# Altium PCB ST1-1-BASIS.PcbDoc (part 3 of 7)
Units mm, origin at the board's own origin, x right, y up, seen from the top; angles counter-clockwise.
Board outline 88 x 170 mm, 6 copper layers (Top Layer, Mid 1, Mid 2 (GND), Mid 3 (PWR), Mid 4, Bottom Layer), stack 1.55 mm thick; 633 components, 333 nets, 1767 pads, 930 vias.
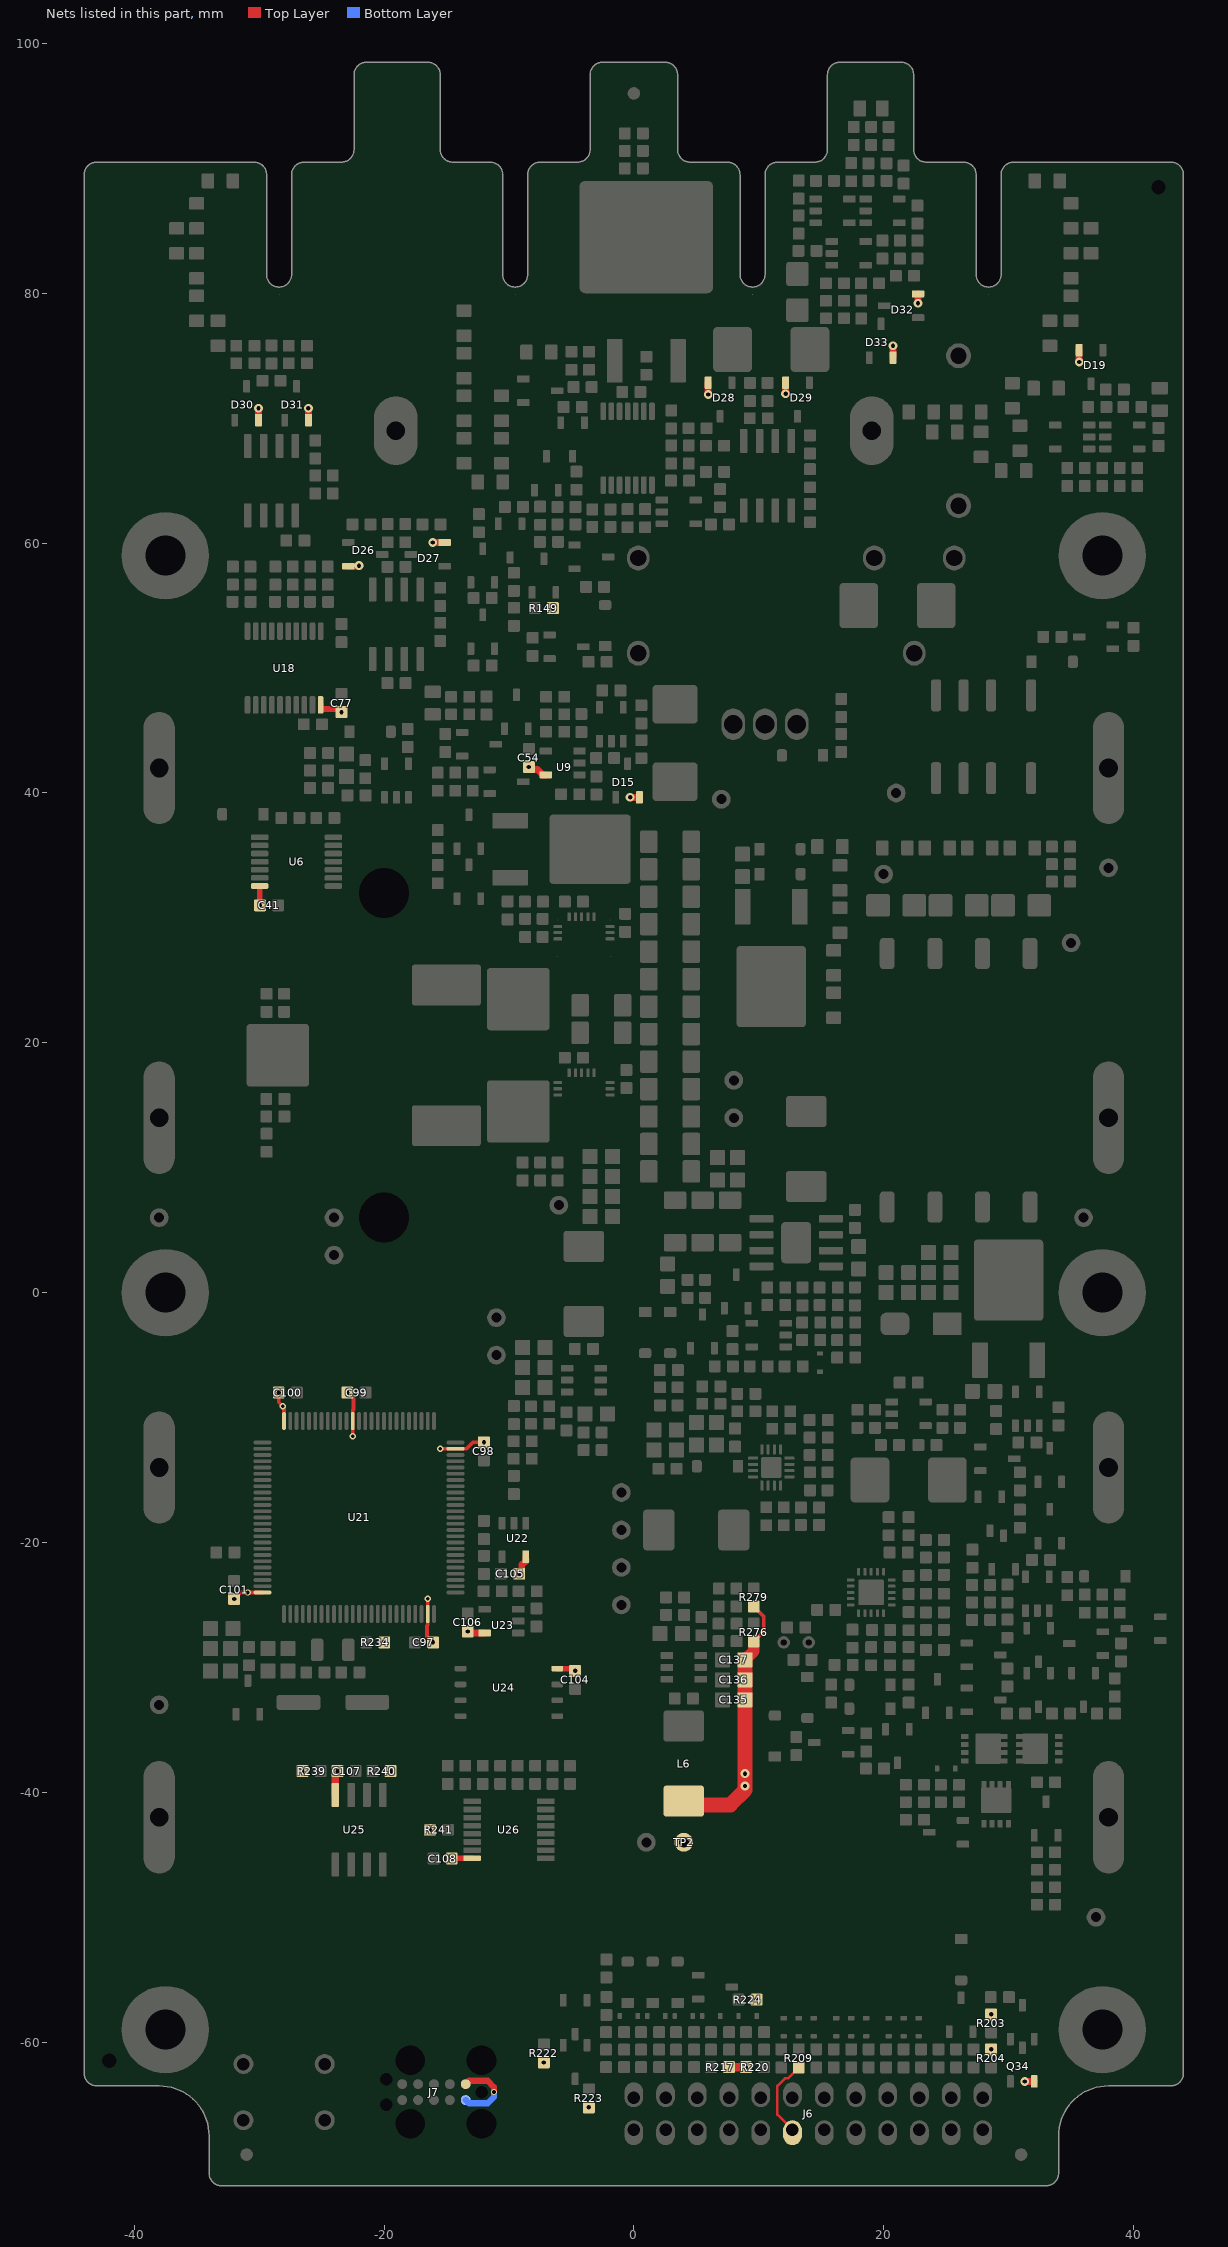
[diagram p7: the nets of this part, all layers, seen from the top]

## Footprints (in the part's own frame and the unit in brackets; to place one, negate y for a bottom-side part, rotate by r counter-clockwise, add the part's x,y. Pads: shape width x height; smd on the part's side, far side on the other; paste and mask are expansions set on the pad) (continued)
TC2050-2 [mil] "Tag-Connect TC2050, 10 pin, top and bottom"
  round 31 smd paste-99999: 1(-100,-25) 2(-50,-25) 3(0,-25) 4(50,-25) 5(100,-25) 6(100,25) 7(50,25) 8(0,25) 9(-50,25) 10(-100,25)
  round 31 smd far side paste-99999: 1(-100,25) 2(-50,25) 3(0,25) 4(50,25) 5(100,25) 6(100,-25) 7(50,-25) 8(0,-25) 9(-50,-25) 10(-100,-25)
  round 0 hole 93.5 unplated: M(-150,-100) M(-150,100) M(75,100) M(75,-100)
  round 0 hole 39 unplated: M(-150,0) M(150,-40) M(150,40)
TO220-3 [mm] "Consider renaming the footprint"
  oval 1.9x2.5 hole 1.5: 1(-2.54,0) 2(0,0) 3(2.54,0)
  silkscreen extent -5.15,-1.7 5.15,3, body extent -5.15,-1.7 5.15,3, height 19.31
TO228P990X229-3 [mm] "DPAK3"
  rrect10% 1.25x2.85 smd: 1(-2.286,-6.4) 2(2.286,-6.4)
  round 1 on Top Overlay: 1(-0.75,-6.5)
  rrect10% 5.55x6.5 smd: 3(0,0)
  body extent -3.27,-7.28 3.27,2.83, height 2.29
TO254P1530X1035-3 [mm] "D2PAK3"
  rrect10% 1.25x3.5 smd: 1(-2.54,-9.9) 2(2.54,-9.9)
  round 1 on Top Overlay: 1(-1.3,-10.9)
  rrect10% 10.7x9 smd: 3(0,0)
  body extent -5.18,-11.18 5.18,4.16, height 4.46
TOOLING-JLC [mm] "Tooling holes as specified by JLCPCB"
  round 0 hole 1.152 unplated paste-2539.97 mask+0.65: 0(0,0)
TP_THD_1.5/0.8 [mm] "Testpoint THD 1.5mm / 0.8mm"
  round 1.5 hole 0.8: 1(0,0)
  silkscreen extent -1,-1 1,1
TR_FLYBACK_RM5_PS1-100 [mm]
  rrect50% 2.5x1.2 smd: 1(-10.15,5.715) 2(-10.15,1.905) 3(-10.15,-1.905) 4(-10.15,-5.715) 5(10.15,-5.715) 6(10.15,-1.905) 7(10.15,1.905) 8(10.15,5.715)
  body extent -9.5,-8 9.5,8, height 11.1

## Part data
BAT1 BAT2 BAT3 BAT4: "Battery LiFePO4 26700 4.5Ah", Manufacturer=Tenpower, Manufacturer Part Number 1=IFR26700-45HE, Supplier Part Number 1=6097321571573, HelpURL=https://www.tenpowercell.com/wp-content/uploads/2023/08/TP-IFR26700-45HE-Product-Datasheet-v1.4.pdf, Manufacturer 1=Tenpower, Part Number=BAT_LFP-26700-4.5AH, Supplier 1=NKON
C1 C4 C17 C37 C38 C39 C40 C55 C123 C124 C125 C147 C148: "CAP SM 0603 1.0uF 50V X5R", Absolute Value=1E-6, JLC Type=Basic, Manufacturer=GENERIC, Manufacturer 1="Samsung Electro-Mechanics", Manufacturer Part Number 1=CL10A105KB8NNNC, Package=0603, Supplier Part Number 1=1276-1860-1-ND, Eurocircuits GPN=GPC0603105-X5R, HelpURL=https://mm.digikey.com/Volume0/opasdata/d220001/medias/docus/658/CL10A105KB8NNNC_Spec.pdf, Manufacturer Part Number 3=CL10A105KB8NNNC, Part Number=1U/0603/50V/X5R, Supplier 1=Digi-Key, Supplier 3=LCSC, Supplier Part Number 3=C15849
C2 C3 C5 C6 C7 C8 C9 C10 C13 C16 C41 C50 C51 C53 C54 C56 C57 C58 C59 C68 C70 C72 C73 C75 C76 C77 C78 C84 C97 C98 C99 C100 C101 C102 C104 C105 C106 C107 C108 C109 C111 C112 C132 C133 C140: "CAP SM 0603 100nF 50V X7R", Absolute Value=1E-7, JLC Type=Basic, Manufacturer=GENERIC, Manufacturer 1=YAGEO, Manufacturer Part Number 1=CC0603KPX7R9BB104, Manufacturer Part Number 2=CC0603MRX7R9BB104, Manufacturer Part Number 3=CC0603KRX7R9BB104, Package=0603, Supplier Part Number 1=311-3567-1-ND, Eurocircuits GPN=GPC0603104, HelpURL=https://www.yageo.com/upload/media/product/app/datasheet/mlcc/upy-gphc_x7r_6_3v-to-250v.pdf, Manufacturer 2=YAGEO, Part Number=100N/0603/50V/X7R, Supplier 1=Digi-Key, Supplier 2=Digi-Key, Supplier 3=LCSC, Supplier Part Number 2=311-4110-1-ND, Supplier Part Number 3=C14663
C11 C12 C14 C62 C63 C66 C119: "CAP SM 0603 1.0nF 50V X7R", Absolute Value=1E-9, JLC Type=Basic, Manufacturer=GENERIC, Manufacturer 1=YAGEO, Manufacturer Part Number 1=CC0603KPX7R9BB102, Manufacturer Part Number 2=CC0603KRX7R9BB102, Manufacturer Part Number 3=CL10B102KB8NNNC, Package=0603, Supplier Part Number 1=13-CC0603KPX7R9BB102CT-ND, Eurocircuits GPN=GPC0603102, HelpURL=https://www.yageo.com/upload/media/product/app/datasheet/mlcc/upy-gphc_x7r_6_3v-to-250v.pdf, Manufacturer 2=YAGEO, Part Number=1N/0603/50V/X7R, Supplier 1=Digi-Key, Supplier 2=Digi-Key, Supplier 3=LCSC, Supplier Part Number 2=311-1080-1-ND, Supplier Part Number 3=C1588
C15 C42 C43 C44 C49 C60 C61 C69 C74 C79 C80 C83 C103 C110 C129 C139 C146 C150 C151: "CAP SM 0603 10nF 50V X7R", Absolute Value=1E-8, Manufacturer=GENERIC, Manufacturer 1=YAGEO, Manufacturer Part Number 1=CC0603KPX7R9BB103, Manufacturer Part Number 2=CC0603KRX7R9BB103, Package=0603, Supplier Part Number 1=311-1572-1-ND, Eurocircuits GPN=GPC0603103, HelpURL=https://www.yageo.com/upload/media/product/app/datasheet/mlcc/upy-gphc_x7r_6_3v-to-250v.pdf, Manufacturer 2=YAGEO, Manufacturer Part Number 3=CC0603KRX7R9BB103, Part Number=10N/0603/50V/X7R, Supplier 1=Digi-Key, Supplier 2=Digi-Key, Supplier 3=LCSC, Supplier Part Number 2=311-1085-1-ND, Supplier Part Number 3=C100042
C18 C19 C20 C21 C45 C46 C47 C92 C93 C94 C95 C96: "CAP SM 0805 22uF 25V X5R", Absolute Value=2.2E-5, JLC Type=Basic, Manufacturer=GENERIC, Manufacturer 1="Samsung Electro-Mechanics", Manufacturer Part Number 1=CL21A226MAYNNNE, Manufacturer Part Number 3=CL21A226MAQNNNE, Package=0805, Supplier Part Number 1=1276-CL21A226MAYNNNECT-ND, Eurocircuits GPN=GPN0805106-25, HelpURL=https://mm.digikey.com/Volume0/opasdata/d220001/medias/docus/339/CL21A226MAYNNNE_Spec.pdf, Part Number=22U/0805/25V/X5R, Supplier 1=Digi-Key, Supplier 3=LCSC, Supplier Part Number 3=C45783
C22 C23 C24 C25 C26 C27 C28 C29 C30 C31 C32 C33 C34 C35 C36: "CAP SM 1206 2.2uF 100V X7R", Absolute Value=2.2E-6, JLC Type=Extended, Manufacturer=GENERIC, Manufacturer 1=YAGEO, Manufacturer Part Number 1=CC1206KKX7R0BB225, Package=1206, Supplier Part Number 1=311-3450-1-ND, HelpURL=https://www.yageogroup.com/content/datasheet/asset/file/UPY-GPHC_X7R_6_3V-TO-250V, Manufacturer Part Number 3=CC1206KKX7R0BB225, Part Number=2U2/1206/100V/X7R, Supplier 1=Digi-Key, Supplier 3=LCSC, Supplier Part Number 3=C577211
C48: "CAP SM 0805 20pF 50V C0G", Absolute Value=2E-11, JLC Type=Basic, Manufacturer=GENERIC, Manufacturer 1="Samsung Electro-Mechanics", Manufacturer Part Number 1=CL21C200JBANNNC, Package=0805, Supplier Part Number 1=1276-1829-2-ND, HelpURL=https://weblib.samsungsem.com/mlcc/mlcc-ec-data-sheet.do?partNumber=CL21C200JBANNN, Manufacturer Part Number 3=CL21C200JBANNNC, Part Number=20P/0805/50V/C0G, Supplier 1=Digi-Key, Supplier 3=LCSC, Supplier Part Number 3=C1798
C52 C71 C81 C85 C86 C87 C88 C89: "CAP SM 0603 100pF 50V C0G", Absolute Value=1E-10, JLC Type=Basic, Manufacturer=GENERIC, Manufacturer 1=YAGEO, Manufacturer Part Number 1=CC0603JRNPO9BN101, Manufacturer Part Number 2=CC0603KRNPO9BN101, Manufacturer Part Number 3=CL10C101JB8NNNC, Package=0603, Supplier Part Number 1=311-1069-1-ND, Eurocircuits GPN=GPC0603101-C0G, HelpURL=https://www.yageo.com/upload/media/product/productsearch/datasheet/mlcc/UPY-GP_NP0_16V-to-50V_18.pdf, Manufacturer 2=YAGEO, Part Number=100P/0603/50V/C0G, Supplier 1=Digi-Key, Supplier 2=Digi-Key, Supplier 3=LCSC, Supplier Part Number 2=311-3600-1-ND, Supplier Part Number 3=C14858
C64 C128: "CAP SM 0603 10pF 50V C0G", Absolute Value=1E-11, Manufacturer=GENERIC, Manufacturer 1=YAGEO, Manufacturer Part Number 1=CC0603JRNPO9BN100, Manufacturer Part Number 2=CC0603KRNPO9BN100, Manufacturer Part Number 3=CL10C100JB8NNNC, Package=0603, Supplier Part Number 1=311-1058-1-ND, Eurocircuits GPN=GPC0603100-C0G, HelpURL=https://www.yageo.com/upload/media/product/productsearch/datasheet/mlcc/UPY-GP_NP0_16V-to-50V_18.pdf, Manufacturer 2=YAGEO, Part Number=10P/0603/50V/C0G, Supplier 1=Digi-Key, Supplier 2=Digi-Key, Supplier 3=LCSC, Supplier Part Number 2=311-4025-1-ND, Supplier Part Number 3=C1634
C65 C67: "CAP SM 0603 4.7pF 50V C0G", Absolute Value=4.7E-12, Manufacturer=GENERIC, Manufacturer 1=YAGEO, Manufacturer Part Number 1=CC0603CRNPO9BN4R7, Manufacturer Part Number 2=CC0603DRNPO9BN4R7, Manufacturer Part Number 3=CGA0603C0G4R7C500JT, Package=0603, Supplier Part Number 1=311-1740-1-ND, Eurocircuits GPN=GPC06034R7-C0G, HelpURL=https://www.yageo.com/upload/media/product/productsearch/datasheet/mlcc/UPY-GP_NP0_16V-to-50V_18.pdf, Manufacturer 2=YAGEO, Part Number=4P7/0603/50V/C0G, Supplier 1=Digi-Key, Supplier 2=Digi-Key, Supplier 3=LCSC, Supplier Part Number 2=13-CC0603DRNPO9BN4R7CT-ND, Supplier Part Number 3=C41361238
C82: "CAP SM 0603 220nF 25V X7R", Absolute Value=2.2E-7, JLC Type=Basic, Manufacturer=GENERIC, Manufacturer Part Number 3=CL10B224KA8NNNC, Package=0603, Eurocircuits GPN=GPC0603, Part Number=220N/0603/25V/X7R, Supplier 3=LCSC, Supplier Part Number 3=C21120
C90 C91: "CAP SM 0603 15pF 50V C0G", Absolute Value=1.5E-11, JLC Type=Basic, Manufacturer=GENERIC, Manufacturer 1=YAGEO, Manufacturer Part Number 1=CC0603JRNPO9BN150, Manufacturer Part Number 2=CC0603KRNPO9BN150, Manufacturer Part Number 3="Samsung Electro-Mechanics", Package=0603, Supplier Part Number 1=311-1060-1-ND, Eurocircuits GPN=GPC0603150-C0G, HelpURL=https://www.yageo.com/upload/media/product/productsearch/datasheet/mlcc/UPY-GP_NP0_16V-to-50V_18.pdf, Manufacturer 2=YAGEO, Part Number=15P/0603/50V/C0G, Supplier 1=Digi-Key, Supplier 2=Digi-Key, Supplier 3=LCSC, Supplier Part Number 2=311-4028-1-ND, Supplier Part Number 3=C1644
C113 C114 C115: "CAP SM 1206 1uF 100V X7R", Absolute Value=1E-6, Manufacturer=GENERIC, Manufacturer 1="Samsung Electro-Mechanics", Manufacturer Part Number 1=CL31B105KCHNNNE, Manufacturer Part Number 3=TCC1206X7R105K101HT, Package=1206, Supplier Part Number 1=1276-1838-1-ND, HelpURL=https://mm.digikey.com/Volume0/opasdata/d220001/medias/docus/41/CL31B105KCHNNNE_Spec.pdf, Part Number=1U/1206/100V/X7R, Supplier 1=Digi-Key, Supplier 3=LCSC, Supplier Part Number 3=C282823
C116: "CAP SM 0603 2.2nF 50V X7R", Absolute Value=2.2E-9, JLC Type=Basic, Manufacturer=GENERIC, Manufacturer 1=YAGEO, Manufacturer Part Number 1=CC0603KPX7R9BB222, Manufacturer Part Number 2=CC0603KRX7R9BB222, Manufacturer Part Number 3=0603B222K500NT, Package=0603, Supplier Part Number 1=13-CC0603KPX7R9BB222CT-ND, Eurocircuits GPN=GPC0603222, HelpURL=https://www.yageo.com/upload/media/product/app/datasheet/mlcc/upy-gphc_x7r_6_3v-to-250v.pdf, Manufacturer 2=YAGEO, Part Number=2N2/0603/50V/X7R, Supplier 1=Digi-Key, Supplier 2=Digi-Key, Supplier 3=LCSC, Supplier Part Number 2=311-1081-1-ND, Supplier Part Number 3=C1604
C117 C118 C121 C122 C126 C127 C134 C135 C136 C137 C141 C142 C143 C144 C149: "CAP SM 0805 10uF 50V X5R", Absolute Value=1E-5, JLC Type=Basic, Manufacturer=GENERIC, Manufacturer 1="Murata Electronics", Manufacturer Part Number 1=GRM21BR61H106KE43K, Manufacturer Part Number 3=GRM21BR61H106KE43L, Package=0805, Supplier Part Number 1=490-GRM21BR61H106KE43KCT-ND, Eurocircuits GPN=GPN0805106-50-X5R, HelpURL=https://search.murata.co.jp/Ceramy/image/img/A01X/G101/ENG/GRM21BR61H106KE43-01A.pdf, Part Number=10U/0805/50V/X5R, Supplier 1=Digi-Key, Supplier 3=LCSC, Supplier Part Number 3=C440198
C120 C138 C145: "CAP SM 0603 47pF 50V C0G", Absolute Value=4.7E-11, JLC Type=Basic, Manufacturer=GENERIC, Manufacturer 1=YAGEO, Manufacturer Part Number 1=CC0603JRNPO9BN470, Manufacturer Part Number 2=CC0603KRNPO9BN470, Manufacturer Part Number 3=CL10C470JB8NNNC, Package=0603, Supplier Part Number 1=311-1065-1-ND, Eurocircuits GPN=GPC0603470-C0G, HelpURL=https://www.yageo.com/upload/media/product/productsearch/datasheet/mlcc/UPY-GP_NP0_16V-to-50V_18.pdf, Manufacturer 2=YAGEO, Part Number=47P/0603/50V/C0G, Supplier 1=Digi-Key, Supplier 2=Digi-Key, Supplier 3=LCSC, Supplier Part Number 2=311-4037-1-ND, Supplier Part Number 3=C1671
C130: "CAP SM 0603 6.8nF 50V X7R", Absolute Value=6.8E-9, JLC Type=Basic, Manufacturer=GENERIC, Manufacturer 1=YAGEO, Manufacturer Part Number 1=CC0603KPX7R9BB682, Manufacturer Part Number 2=CC0603KRX7R9BB682, Manufacturer Part Number 3=0603B682K500NT, Package=0603, Supplier Part Number 1=13-CC0603KPX7R9BB682CT-ND, Eurocircuits GPN=GPC0603682, HelpURL=https://www.yageo.com/upload/media/product/app/datasheet/mlcc/upy-gphc_x7r_6_3v-to-250v.pdf, Manufacturer 2=YAGEO, Part Number=6N8/0603/50V/X7R, Supplier 1=Digi-Key, Supplier 2=Digi-Key, Supplier 3=LCSC, Supplier Part Number 2=311-1084-1-ND, Supplier Part Number 3=C1631
C131: "CAP SM 0603 330nF 25V X7R", Absolute Value=3.3E-7, JLC Type=Extended, Manufacturer=GENERIC, Manufacturer 1=YAGEO, Manufacturer Part Number 1=CC0603KRX7R8BB334, Manufacturer Part Number 2=CC0603JRX7R8BB334, Package=0603, Supplier Part Number 1=311-3573-1-ND, HelpURL=https://www.yageogroup.com/content/datasheet/asset/file/UPY-GPHC_X7R_6_3V-TO-250V, Manufacturer 2=YAGEO, Manufacturer Part Number 3=CC0603KRX7R8BB334, Part Number=330N/0603/25V/X7R, Supplier 1=Digi-Key, Supplier 2=Digi-Key, Supplier 3=LCSC, Supplier Part Number 2=13-CC0603JRX7R8BB334CT-ND, Supplier Part Number 3=C107070
D1 D2 D3 D5 D8 D18 D20 D34 D46 D47 D48 D53 D56 D57 D58: "40V 600mV@1A 1A SOD-123 Schottky Barrier Diodes", Absolute Value=40V, JLC Type=Basic, Manufacturer=GENERIC, Manufacturer 1="SMC Diode Solutions", Manufacturer 3="Jiangsu Changjing Electronics Technology Co., Ltd.", Manufacturer Part Number 1=B5819WSL, Package=SOD-123, Supplier Part Number 1=1655-B5819WSLCT-ND, HelpURL=https://datasheet.lcsc.com/lcsc/2304140030_Jiangsu-Changjing-Electronics-Technology-Co---Ltd--B5819W-SL_C8598.pdf, Manufacturer Part Number 3="B5819W SL", Part Number="B5819W SL", Supplier 1=Digikey, Supplier 3=LCSC, Supplier Part Number 3=C8598
D4: "Low current zener diode 1.8V 500mW SOD123", Absolute Value=1.8V, JLC Type=Extended, Manufacturer="Diodes Incorporated", Manufacturer 3=DIODES, Manufacturer Part Number 1=DDZ9678-7, Package=SOD-123, Supplier Part Number 1=DDZ9678DICT-ND, HelpURL=https://www.diodes.com/datasheet/download/DDZ96xx-DDZ97xx.pdf, Manufacturer 1="Diodes Incorporated", Manufacturer Part Number 3=DDZ9678-7, Part Number=DDZ9678, Supplier 1=Digikey, Supplier 3=LCSC, Supplier Part Number 3=C150464
D6: "DIODE ZENER 15V 100MW SOD523", Absolute Value="15 V", Manufacturer="Micro Commercial Co", Manufacturer 2="Diodes Incorporated", Manufacturer Part Number 1=BZT52C15T-TP, Manufacturer Part Number 2=BZT52C15T-7, Package="SC-79, SOD-523", Supplier Part Number 1=BZT52C15T-TPMSCT-ND, HelpURL=https://www.mccsemi.com/pdf/Products/BZT52C(B)2V4T-BZT52C(B)39T(SOD-523).pdf, Manufacturer 1="Micro Commercial Co", Manufacturer 3="Diodes Incorporated", Manufacturer Part Number 3=BZT52C15T-7, Part Number=BZT52C15T, Supplier 1=Digikey, Supplier 2=Digikey, Supplier 3=LCSC, Supplier Part Number 2=BZT52C15T-7DICT-ND, Supplier Part Number 3=C460787
D7 D15 D16 D19 D22 D23 D24 D25 D26 D27 D28 D29 D30 D31 D32 D33 D52 D55: "Silicon Low Leakage Diode 85V", Absolute Value=85V, Manufacturer="Infineon Technologies", Manufacturer 3=LRC, Manufacturer Part Number 1=BAV199E6433HTMA1, Manufacturer Part Number 3=LBAV199LT1G, Package=SOT23, Supplier Part Number 1=BAV199E6433HTMA1CT-ND, HelpURL=https://www.infineon.com/dgdl/bav199series.pdf?folderId=db3a30431400ef6801141c748874044e&fileId=db3a30431400ef6801141cba733104e5, Manufacturer 1="Infineon Technologies", Part Number=BAV199, Supplier 1=Digikey, Supplier 3=LCSC, Supplier Part Number 3=C12740
D9: "Si Shottky Diode 100V 2A DO-214AC", JLC Type=Basic, Manufacturer=GENERIC, Manufacturer 3="MDD(Microdiode Semiconductor)", Manufacturer Part Number 3=SS210, Package="DO-214AC, SMA", HelpURL=https://www.lcsc.com/datasheet/C14996.pdf, Part Number="SS210 SMA", Supplier 3=LCSC, Supplier Part Number 3=C14996
D10 D11: "Low current zener diode 13V 500mW SOD123", Absolute Value=13V, JLC Type=Extended, Manufacturer="Diodes Incorporated", Manufacturer 3=DIODES, Manufacturer Part Number 1=DDZ9700-7, Package=SOD-123, Supplier Part Number 1=31-DDZ9700-7CT-ND, HelpURL=https://www.diodes.com/datasheet/download/DDZ96xx-DDZ97xx.pdf, Manufacturer 1="Diodes Incorporated", Manufacturer Part Number 3=DDZ9700-7, Part Number=DDZ9700, Supplier 1=Digikey, Supplier 3=LCSC, Supplier Part Number 3=C460862
D12 D17 D21: library part "LED Red 0805", "Generic LED Red 0805", Absolute Value=Red, JLC Type=Basic, Manufacturer=GENERIC, Manufacturer 1=Würth, Manufacturer 3="Foshan NationStar Optoelectronics", Manufacturer Part Number 1=150080RS75000, Manufacturer Part Number 3=NCD0805R1, Package=805, Supplier Part Number 1=732-4984-1-ND, HelpURL=https://www.we-online.com/katalog/datasheet/150060RS75000.pdf, Part Number="LED Red 0805", Supplier 1=Digikey, Supplier 3=LCSC, Supplier Part Number 3=C84256
D13: "DIODE ZENER 68V 350MW SOD123", Absolute Value="68 V", JLC Type=Extended, Manufacturer="Nexperia USA Inc.", Manufacturer 2="Panjit International Inc.", Manufacturer 3=JUXING, Manufacturer Part Number 1=BZT52-C68J, Manufacturer Part Number 2=BZT52-C68_R1_00001, Manufacturer Part Number 3=BZT52C68V, Package=SOD-123, Supplier Part Number 1=1727-8144-1-ND, HelpURL=https://assets.nexperia.com/documents/data-sheet/BZT52_SER.pdf, Manufacturer 1="Nexperia USA Inc.", Part Number=BZT52C68, Supplier 1=Digikey, Supplier 2=Digikey, Supplier 3=LCSC, Supplier Part Number 2=3757-BZT52-C68_R1_00001CT-ND, Supplier Part Number 3=C5365518
D14: "Planar passivated Silicon Controlled Rectifier (SCR) in a TO220 plastic package, 600V, 30A", Manufacturer="WeEn Semiconductors", Manufacturer Part Number 1=TYN30-600TFQ, Package=TO-220, Supplier Part Number 1=1740-TYN30-600TFQ-ND, HelpURL=https://www.ween-semi.com/datasheet/TYN30-600TF.pdf, Manufacturer 1="WeEn Semiconductors", Part Number=TYN30-600, Supplier 1=Digikey
D35 D36 D37 D38 D39 D40 D41 D42 D43 D44 D45 D49 D50 D51 D54: "DIODE ZENER 3.3V 300MW SOD523", Absolute Value="3.3 V", Manufacturer="Diodes Incorporated", Manufacturer 2="Micro Commercial Co", Manufacturer 3=BORN, Manufacturer Part Number 1=BZT52C3V3T-7, Manufacturer Part Number 2=BZT52C3V3T-TP, Package="SC-79, SOD-523", Supplier Part Number 1=BZT52C3V3T-7DICT-ND, HelpURL=https://www.diodes.com/assets/Datasheets/ds30502.pdf, Manufacturer 1="Diodes Incorporated", Manufacturer Part Number 3=BZT52C3V3T, Part Number=BZT52C3V3T, Supplier 1=Digikey, Supplier 2=Digikey, Supplier 3=LCSC, Supplier Part Number 2=BZT52C3V3T-TPMSCT-ND, Supplier Part Number 3=C20612286
F1: "Fuse 1000V AC/DC 10A 5AG 10.3x38mm", Manufacturer="Phoenix Contact", Manufacturer Part Number 1=3061334, Package=5AG, Supplier Part Number 1=277-15212-ND, HelpURL=https://www.phoenixcontact.com/us/products/3061334/pdf, Manufacturer 1="Phoenix Contact", Part Number=10A/5AG/FUSE, Supplier 1=Digi-Key
F2: Manufacturer 1="Keystone Electronics", Manufacturer Part Number 1=3576, Package=5AG, Supplier Part Number 1=36-3576-ND, HelpURL=https://www.keyelco.com/product-pdf.cfm?p=347, Manufacturer 2="Keystone Electronics", Manufacturer Part Number 2=3576, Part Number=Fuseholder/5AG, Supplier 1=Digi-Key, Supplier 2=Mouser, Supplier Part Number 2=534-3576
FM1 FM2 FM3 FM4 FM5 FM6: library part Fidu_1mm, "Fiducial 1mm", Manufacturer=NONE, Part Number=Fidu_1mm
GDT1: library part GDT-1400V-A71-12MM-4MM, "2-electrode surge arrester, 1400V, 10kA, A71 series, 12mm lead spacing, 4mm standoff height", Absolute Value=1400, Manufacturer=TDK, Manufacturer 1="EPCOS - TDK Electronics", Manufacturer Part Number 1=B88069X2180S102, Manufacturer Part Number 2=B88069X3500T502, Package=Axial, Supplier Part Number 1=495-4270-ND, HelpURL=https://www.tdk-electronics.tdk.com/inf/100/ds/A71-H14X-X2180S102.pdf, Manufacturer 2="EPCOS - TDK Electronics", Part Number=GDT-1400V-A71-12MM-4MM, Supplier 1=Digi-Key, Supplier 2=Digi-Key, Supplier Part Number 2=495-5911-1-ND
J1: library part Solder_Jumper_2pin_0.3mm, "Solder jumper with two pins with a spacing of 0.3mm", Manufacturer=NONE, Part Number=Solder_Jumper_2pin_0.3mm
J2 J4: "SLB4-F6.3 Insulated, rigid, Ø 4 mm, accepting spring-loaded Ø 4 mm plugs with rigid insulating sleeve. Machined brass. Insulation material UL94 V-0. The socket is screwed into pre-drilled panels of plastic, metal, etc. Flat connecting tab 6.3 mm x 0.8 mm.", Manufacturer=Stäubli, Manufacturer 1="Stäubli Electrical Connectors", Manufacturer Part Number 1=23.3060-22, Supplier Part Number 1=30136218, HelpURL=https://www.staubli.com/content/dam/ecs/technical-documentation/datasheets/TM/23.3060_en.pdf, Supplier 1=Distrelec, System=Connector
  J2: Part Number="SLB4-F6.3 RED-1MM-UP"
  J4: Part Number="SLB4-F6.3 RED-1MM-DOWN"
J3 J5: "SLB4-F6.3 Insulated, rigid, Ø 4 mm, accepting spring-loaded Ø 4 mm plugs with rigid insulating sleeve. Machined brass. Insulation material UL94 V-0. The socket is screwed into pre-drilled panels of plastic, metal, etc. Flat connecting tab 6.3 mm x 0.8 mm.", Manufacturer=Stäubli, Manufacturer 1="Stäubli Electrical Connectors", Manufacturer Part Number 1=23.3060-21, Supplier Part Number 1=30136217, HelpURL=https://www.staubli.com/content/dam/ecs/technical-documentation/datasheets/TM/23.3060_en.pdf, Supplier 1=Distrelec, System=Connector
  J3: Part Number="SLB4-F6.3 BLACK-1MM-UP"
  J5: Part Number="SLB4-F6.3 BLACK-1MM-DOWN"
J6: library part Socket_2x12_7mm, "Socket 2.100mil 2x12, height 7mm", Manufacturer=GENERIC, Manufacturer 1=Preci-Dip, Manufacturer Part Number 1=803-87-024-10-001101, Supplier Part Number 1=1212-1252-ND, Part Number=Socket_2x12_7mm, Supplier 1=Digi-Key, System=Connector
J7: "Tag-Connect 2050, 10 pins, two-sided", Manufacturer=TAG-CONNECT, HelpURL=https://www.tag-connect.com/wp-content/uploads/bsk-pdf-manager/TC2050-IDC_Datasheet_7.pdf, Part Number=TAG-CON-10-DUAL
K1: "RELAY GEN PURPOSE SPDT 8A 12V", Manufacturer="Omron Electronics Inc-EMC Div", Supplier Part Number 1=39-G6RL-14-ASIDC12-ND, HelpURL=https://omronfs.omron.com/en_US/ecb/products/pdf/en-g6rl.pdf, Manufacturer 1="Omron Electronics Inc-EMC Div", Manufacturer Part Number 1="G6RL-14-ASI DC12", Part Number="G6RL-14-ASI DC12", Supplier 1=Digi-Key
K2: "FTR-B3 Series Ultra Miniature Relay 2 Poles - 2 A (Low Profile Signal Relay)", JLC Type=Extended, Manufacturer=Fujitsu, Manufacturer 3=FUJITSU, HelpURL=https://www.fujitsu.com/sg/imagesgig5/ftr-b3.pdf, Manufacturer Part Number 3=FTR-B3GA012Z-B10, Part Number=FTR-B3GA012Z-B10, Supplier 3=LCSC, Supplier Part Number 3=C2992429
L1: "Fixed Ind 10uH 11A 15.8mOhm SMD MDA1365", Absolute Value=1E-5, JLC Type=Extended, Manufacturer=Koherelec, Manufacturer 3=KOHERelec, Manufacturer Part Number 3=MDA1365-100M, Package=1365, HelpURL=http://www.kohergroup.com/template/default/pdf/MDA1365.pdf, Part Number=10UH/MDA1365, Supplier 3=LCSC, Supplier Part Number 3=C2847583
L2: "Fixed Ind 10uH 14A 4.8mOhm SMD", Absolute Value=1E-5, JLC Type=Extended, Manufacturer=XR, Manufacturer Part Number 3=XRPQ2012J-100M, Package=PQ2012J, HelpURL=https://www.lcsc.com/datasheet/C48391639.pdf, Manufacturer 3=XR, Part Number=10UH/PQ2012J, Supplier 3=LCSC, Supplier Part Number 3=C48391639
L3: Package=RM5, Part Number=TR/RM5/FLYBACK/PS1-1
L4: "FIXED IND 330UH 450MA 1.41OHM SM", Absolute Value=0.00033, Manufacturer="Eaton - Electronics Division", Manufacturer 3="SXN(Shun Xiang Nuo Elec)", Manufacturer Part Number 1=DR74-331-R, Manufacturer Part Number 3=SMDRI74-331MT, Package=7643, Supplier Part Number 1=283-4601-1-ND, HelpURL=https://www.eaton.com/content/dam/eaton/products/electronic-components/resources/data-sheet/eaton-dr-high-power-density-high-efficiency-shielded-drum-core-power-inductors-data-sheet.pdf, Manufacturer 1="Eaton - Electronics Division", Part Number=330UH\7643, Supplier 1=Digi-Key, Supplier 3=LCSC, Supplier Part Number 3=C35560
L5 L6 L7: "FIXED IND 22UH 1.75A 92.5MOHM SM", Absolute Value=2.2E-5, Manufacturer="Eaton - Electronics Division", Manufacturer 3="SXN(Shun Xiang Nuo Elec)", Manufacturer Part Number 1=DR74-220-R, Manufacturer Part Number 3=SMDRI74-220M, Package=7643, Supplier Part Number 1=513-1390-1-ND, HelpURL=https://www.eaton.com/content/dam/eaton/products/electronic-components/resources/data-sheet/eaton-dr-high-power-density-high-efficiency-shielded-drum-core-power-inductors-data-sheet.pdf, Manufacturer 1="Eaton - Electronics Division", Part Number=22UH\7643, Supplier 1=Digi-Key, Supplier 3=LCSC, Supplier Part Number 3=C164083
M1: library part "PCB NAME 5mm L", "PCB name, 5mm text height, left-aligned", Manufacturer=NONE, Part Number="PCB NAME 5mm L"
M2 M5: "Tooling hole for JLC (1.152mm)", Manufacturer=NONE, Part Number="Tooling JLC"
M3: library part "SERIAL 2D 10MM RESTRICT", "2D Serial number placeholder, Dotmatrix or QR, size: 10mm, restriction on top layer", Manufacturer=NONE, Part Number="SERIAL 2D 10MM RESTRICT"
M4: library part "LOGO WHE 10MM", "WHE logo, size 10mm", Manufacturer=NONE, Part Number="LOGO WHE 10MM"
M6: library part "QR PROJ URL 10MM", "QR Code, Project URL, 10mm", Manufacturer=NONE, Part Number="QR PROJ URL 10MM"
M7: library part "LOGO FSG 10MM", "FSG logo, size 10mm", Manufacturer=NONE, Part Number="LOGO FSG 10MM"
NT1: "Net-Tie 10.00mmx1.00mm Inner Layer 4", Manufacturer=NONE, Layer="Inner Layer 4", Length=1.00mm, Part Number=NET-TIE_1000X100-I4, Width=10.00m
Q1 Q7 Q8 Q9 Q25 Q29 Q32 Q34 Q35: "50V P-Channel MOSFET", JLC Type=Extended, Manufacturer=GENERIC, Manufacturer 1="Good-Ark Semiconductor", Manufacturer 2=LRC, Manufacturer 3="Jiangsu Changjing Electronics Technology Co., Ltd.", Manufacturer Part Number 2=LBSS84LT1G, Package=SOT23, Supplier Part Number 1=4786-BSS84CT-ND, HelpURL=https://goodarksemi.com/docs/datasheets/mosfets/BSS84.pdf, Manufacturer Part Number 1=BSS84, Manufacturer Part Number 3=BSS84, Part Number=BSS84, Supplier 1=Digi-Key, Supplier 2=LCSC, Supplier 3=LCSC, Supplier Part Number 2=C8492, Supplier Part Number 3=C114481
Q2 Q10 Q11 Q12 Q13 Q14 Q15 Q16 Q17 Q19 Q22 Q23 Q26 Q27 Q28 Q30 Q33 Q36 Q37 Q38 Q39 Q40: "N-Kanal 50 V 220mA (Ta) 350mW (Ta) Oberflächenmontage SOT-23", JLC Type=Extended, Manufacturer=GENERIC, Manufacturer 1="ANBON SEMICONDUCTOR (INT'L) LIMITED", Manufacturer 2=FOSAN, Package=SOT23, Supplier Part Number 1=4530-BSS138CT-ND, HelpURL=https://mm.digikey.com/Volume0/opasdata/d220001/medias/docus/3037/BSS138.pdf, Manufacturer 3=FOSAN, Manufacturer Part Number 1=BSS138, Manufacturer Part Number 2=BSS138, Manufacturer Part Number 3=BSS138, Part Number=BSS138, Supplier 1=Digi-Key, Supplier 2=LCSC, Supplier 3=LCSC, Supplier Part Number 2=C2926186, Supplier Part Number 3=C2926186
Q3 Q5 Q6: "40V 35A 11mΩ@10V,15A 30W 1.7V 1 piece P-channel PDFN(3.3x3.3) MOSFETs ROHS", Manufacturer=AGM-Semi, Package=8-PowerVDFN, HelpURL=https://www.lcsc.com/datasheet/lcsc_datasheet_2504101957_AGM-Semi-AGM40P35AP_C18221399.pdf, Manufacturer 3=AGM-Semi, Manufacturer Part Number 3=AGM40P35AP, Part Number=AGM40P35AP, Supplier 3=LCSC, Supplier Part Number 3=C18221399
Q4: "Switching Transistor PNP Silicon", JLC Type=Extended, Manufacturer="ON SEMI", Manufacturer 3=ONSEMI, Manufacturer Part Number 3=MMBT4403LT1G, Package=SOT23, HelpURL=https://www.onsemi.com/pdf/datasheet/mmbt4403lt1-d.pdf, Part Number=MMBT4403L, Supplier 3=LCSC, Supplier Part Number 3=C78864
Q18 Q21: "N-Channel MOSFET 200V 11A", JLC Type=Extended, Manufacturer="Jingdao Microelectronics", Package=TO-252AA, HelpURL=https://www.lcsc.com/datasheet/C2935478.pdf, Manufacturer 3="Jingdao Microelectronics", Manufacturer Part Number 3=D11N20, Part Number=D11N20, Supplier 3=LCSC, Supplier Part Number 3=C2935478
Q20: "MMBT3904 40V, 0.2A NPN BJT transistor", JLC Type=Basic, Manufacturer=GENERIC, Manufacturer 1=onsemi, Manufacturer 2="MCC (Micro Commercial Components)", Manufacturer 3=JSCJ, Manufacturer Part Number 1=MMBT3904LT1G, Manufacturer Part Number 2=MMBT3904-TP, Manufacturer Part Number 3=MMBT3904(RANGE:100-300), Package=SOT23, Supplier Part Number 1=MMBT3904LT1GOSCT-ND, HelpURL=https://onsemi.com/pdf/datasheet/mmbt3904lt1-d.pdf, Part Number=MMBT3904, Supplier 1=Digi-Key, Supplier 2=Digikey, Supplier 3=LCSC, Supplier Part Number 2=MMBT3904TPMSCT-ND, Supplier Part Number 3=C20526
Q24: "N-Channel MOSFET 1200V", JLC Type=Extended, Manufacturer="Tech Public", Manufacturer 3="TECH PUBLIC", Package=TO-252AA, HelpURL=https://www.lcsc.com/datasheet/C42437012.pdf, Manufacturer Part Number 3=3N120, Part Number=3N120, Supplier 3=LCSC, Supplier Part Number 3=C42437012
Q31: "200V 88A 300W 10.7mΩ@10V,88A 4V 1 N-channel TO-263-3 MOSFETs ROHS", Manufacturer="Infineon Technologies", Manufacturer Part Number 1=IPB107N20N3GATMA1CT-ND, Package=TO-263, Supplier Part Number 1=IPB107N20N3GATMA1, HelpURL=https://www.infineon.com/dgdl/IPP_I_110N20N3+G_IPB107N20N3+G+Rev2.2.pdf?folderId=db3a3043163797a6011637d4bae7003b&fileId=db3a3043243b5f170124968e7d1f18e7, Manufacturer 1="Infineon Technologies", Manufacturer 3="Infineon Technologies", Manufacturer Part Number 3=IPB107N20N3G, Part Number=IPB107N20N3G, Supplier 1=Digi-Key, Supplier 3=LCSC, Supplier Part Number 3=C444895
R1 R2 R261 R266 R276 R283: "RES SM 0603 10R", Absolute Value=10, JLC Type=Basic, Manufacturer=GENERIC, Manufacturer 1=YAGEO, Manufacturer 3=UNI-ROYAL, Manufacturer Part Number 1=RC0603FR-1310RL, Manufacturer Part Number 2=RC0603FR-1010RL, Manufacturer Part Number 3=0603WAF100JT5E, Package=0603, Supplier Part Number 1=13-RC0603FR-1310RLCT-ND, Eurocircuits GPN=GPR060310R, HelpURL=https://www.yageogroup.com/content/datasheet/asset/file/PYU-RC_GROUP_51_ROHS_L, Manufacturer 2=YAGEO, Part Number=10R/0603, Supplier 1=Digi-Key, Supplier 2=Digi-Key, Supplier 3=LCSC, Supplier Part Number 2=13-RC0603FR-1010RLCT-ND, Supplier Part Number 3=C22859
R3 R5 R7 R8 R9 R10 R11 R13 R125 R127 R128 R130 R144 R218 R221 R242 R243 R244 R245 R246 R247 R248 R249 R258: "RES SM 0603 100R", Absolute Value=100, Manufacturer=GENERIC, Manufacturer 1=YAGEO, Manufacturer 3="UNI-ROYAL(Uniroyal Elec)", Manufacturer Part Number 1=RC0603FR-13100RL, Manufacturer Part Number 2=RC0603FR-10100RL, Manufacturer Part Number 3=0603WAF1000T5E, Package=0603, Supplier Part Number 1=13-RC0603FR-13100RLCT-ND, Eurocircuits GPN=GPR0603100R, HelpURL=https://www.yageogroup.com/content/datasheet/asset/file/PYU-RC_GROUP_51_ROHS_L, Manufacturer 2=YAGEO, Part Number=100R/0603, Supplier 1=Digi-Key, Supplier 2=Digi-Key, Supplier 3=LCSC, Supplier Part Number 2=13-RC0603FR-10100RLCT-ND, Supplier Part Number 3=C22775
R4 R12 R36 R256: "RES SM 0603 10M", Absolute Value=10000000, JLC Type=Basic, Manufacturer=GENERIC, Manufacturer 1=YAGEO, Manufacturer 3="UNI-ROYAL(Uniroyal Elec)", Manufacturer Part Number 1=RC0603FR-1310ML, Manufacturer Part Number 2=RC0603FR-1010ML, Manufacturer Part Number 3=0603WAF1005T5E, Package=0603, Supplier Part Number 1=13-RC0603FR-1310MLCT-ND, Eurocircuits GPN=GPR060310M, HelpURL=https://www.yageogroup.com/content/datasheet/asset/file/PYU-RC_GROUP_51_ROHS_L, Manufacturer 2=YAGEO, Part Number=10M/0603, Supplier 1=Digi-Key, Supplier 2=Digi-Key, Supplier 3=LCSC, Supplier Part Number 2=13-RC0603FR-1010MLCT-ND, Supplier Part Number 3=C7250
R6 R31 R35 R42 R89 R104 R184 R185 R188 R189 R203 R204 R205 R253 R257: "RES SM 0603 1M", Absolute Value=1000000, JLC Type=Basic, Manufacturer=GENERIC, Manufacturer 1=YAGEO, Manufacturer 3="UNI-ROYAL(Uniroyal Elec)", Manufacturer Part Number 1=RC0603FR-131ML, Manufacturer Part Number 2=RC0603FR-101ML, Manufacturer Part Number 3=0603WAF1004T5E, Package=0603, Supplier Part Number 1=13-RC0603FR-131MLCT-ND, Eurocircuits GPN=GPR06031M, HelpURL=https://www.yageogroup.com/content/datasheet/asset/file/PYU-RC_GROUP_51_ROHS_L, Manufacturer 2=YAGEO, Part Number=1M/0603, Supplier 1=Digi-Key, Supplier 2=Digi-Key, Supplier 3=LCSC, Supplier Part Number 2=13-RC0603FR-101MLCT-ND, Supplier Part Number 3=C22935
R14 R92 R129: "RES SM 2512 0R005", Absolute Value=0.005, Manufacturer=GENERIC, Manufacturer 1=Ohmite, Manufacturer 3=prosemi, Manufacturer Part Number 1=MCS3264R005FER, Manufacturer Part Number 3=LMP25MF2P0R005, Package=2512, Supplier Part Number 1=MCS3264R005FERCT-ND, HelpURL=https://www.ohmite.com/assets/docs/res_mcs.pdf?r=false, Part Number=0R005/2512, Supplier 1=Digi-Key, Supplier 3=LCSC, Supplier Part Number 3=C2937402
R15: "RES NTC THT 40mm 10K 3380K", Absolute Value=10000, Manufacturer=GENERIC, Manufacturer 1="Eaton - Electronics Division", Manufacturer Part Number 1=NRSE104F3380B1F, Supplier Part Number 1=283-NRSE104F3380B1F-ND, HelpURL=https://eaton.com/content/dam/eaton/products/electronic-components/resources/data-sheet/eaton-nrse-epoxy-sealed-radial-lead-ntc-thermistor-data-sheet-elx1227.pdf, Part Number=10K/40MM/NTC/3380K, Supplier 1=Digi-Key
R16 R54 R55 R56 R152: "RES NTC SM 0603 10K", Absolute Value=10000, JLC Type=Extended, Manufacturer=GENERIC, Manufacturer 1=Murata, Manufacturer 3=Sunlord, Manufacturer Part Number 1=NCU18XH103E60RB, Manufacturer Part Number 3=SDNT1608X103F3380FTF, Package=0603, Supplier Part Number 1=490-18164-1-ND, Eurocircuits GPN=GPR060310K, HelpURL=https://www.murata.com/en-us/api/pdfdownloadapi?cate=luNTCforTempeSenso&partno=NCU18XH103E60RB, Part Number=10K/0603/NTC/3380K, Supplier 1=Digi-Key, Supplier 3=LCSC, Supplier Part Number 3=C316397
R17 R20: "RES SM 0603 330K", Absolute Value=330000, JLC Type=Basic, Manufacturer=GENERIC, Manufacturer 1=YAGEO, Manufacturer Part Number 1=RC0603FR-13330KL, Manufacturer Part Number 2=RC0603FR-10330KL, Manufacturer Part Number 3=RC0603FR-07330KL, Package=0603, Supplier Part Number 1=13-RC0603FR-13330KLCT-ND, Eurocircuits GPN=GPR0603330K, HelpURL=https://www.yageogroup.com/content/datasheet/asset/file/PYU-RC_GROUP_51_ROHS_L, Manufacturer 2=YAGEO, Manufacturer 3=YAGEO, Part Number=330K/0603, Supplier 1=Digi-Key, Supplier 2=Digi-Key, Supplier 3=LCSC, Supplier Part Number 2=13-RC0603FR-10330KLCT-ND, Supplier Part Number 3=C114618
R18 R19 R32 R34 R38 R40 R51 R52 R53 R80 R82 R86 R96 R98 R100 R118 R131 R133 R134 R137 R146 R149 R150 R153 R217 R220 R222 R223 R224 R225 R226 R227 R236 R237 R238 R254 R272 R281 R288 R290: "RES SM 0603 10K", Absolute Value=10000, JLC Type=Basic, Manufacturer=GENERIC, Manufacturer 1=YAGEO, Manufacturer 3="UNI-ROYAL(Uniroyal Elec)", Manufacturer Part Number 1=RC0603FR-1310KL, Manufacturer Part Number 2=RC0603FR-1010KL, Manufacturer Part Number 3=0603WAF1002T5E, Package=0603, Supplier Part Number 1=13-RC0603FR-1310KLCT-ND, Eurocircuits GPN=GPR060310K, HelpURL=https://www.yageogroup.com/content/datasheet/asset/file/PYU-RC_GROUP_51_ROHS_L, Manufacturer 2=YAGEO, Part Number=10K/0603, Supplier 1=Digi-Key, Supplier 2=Digi-Key, Supplier 3=LCSC, Supplier Part Number 2=13-RC0603FR-1010KLCT-ND, Supplier Part Number 3=C25804